# Altium PCB PCB2.PcbDoc (part 2 of 2)
Units mm, origin at the board's own origin, x right, y up, seen from the top; angles counter-clockwise.
Board outline 100 x 100 mm, 4 copper layers (Top Layer, GND2, PWR3, Bottom Layer), stack 1.853 mm thick; 159 components, 130 nets, 699 pads, 175 vias.
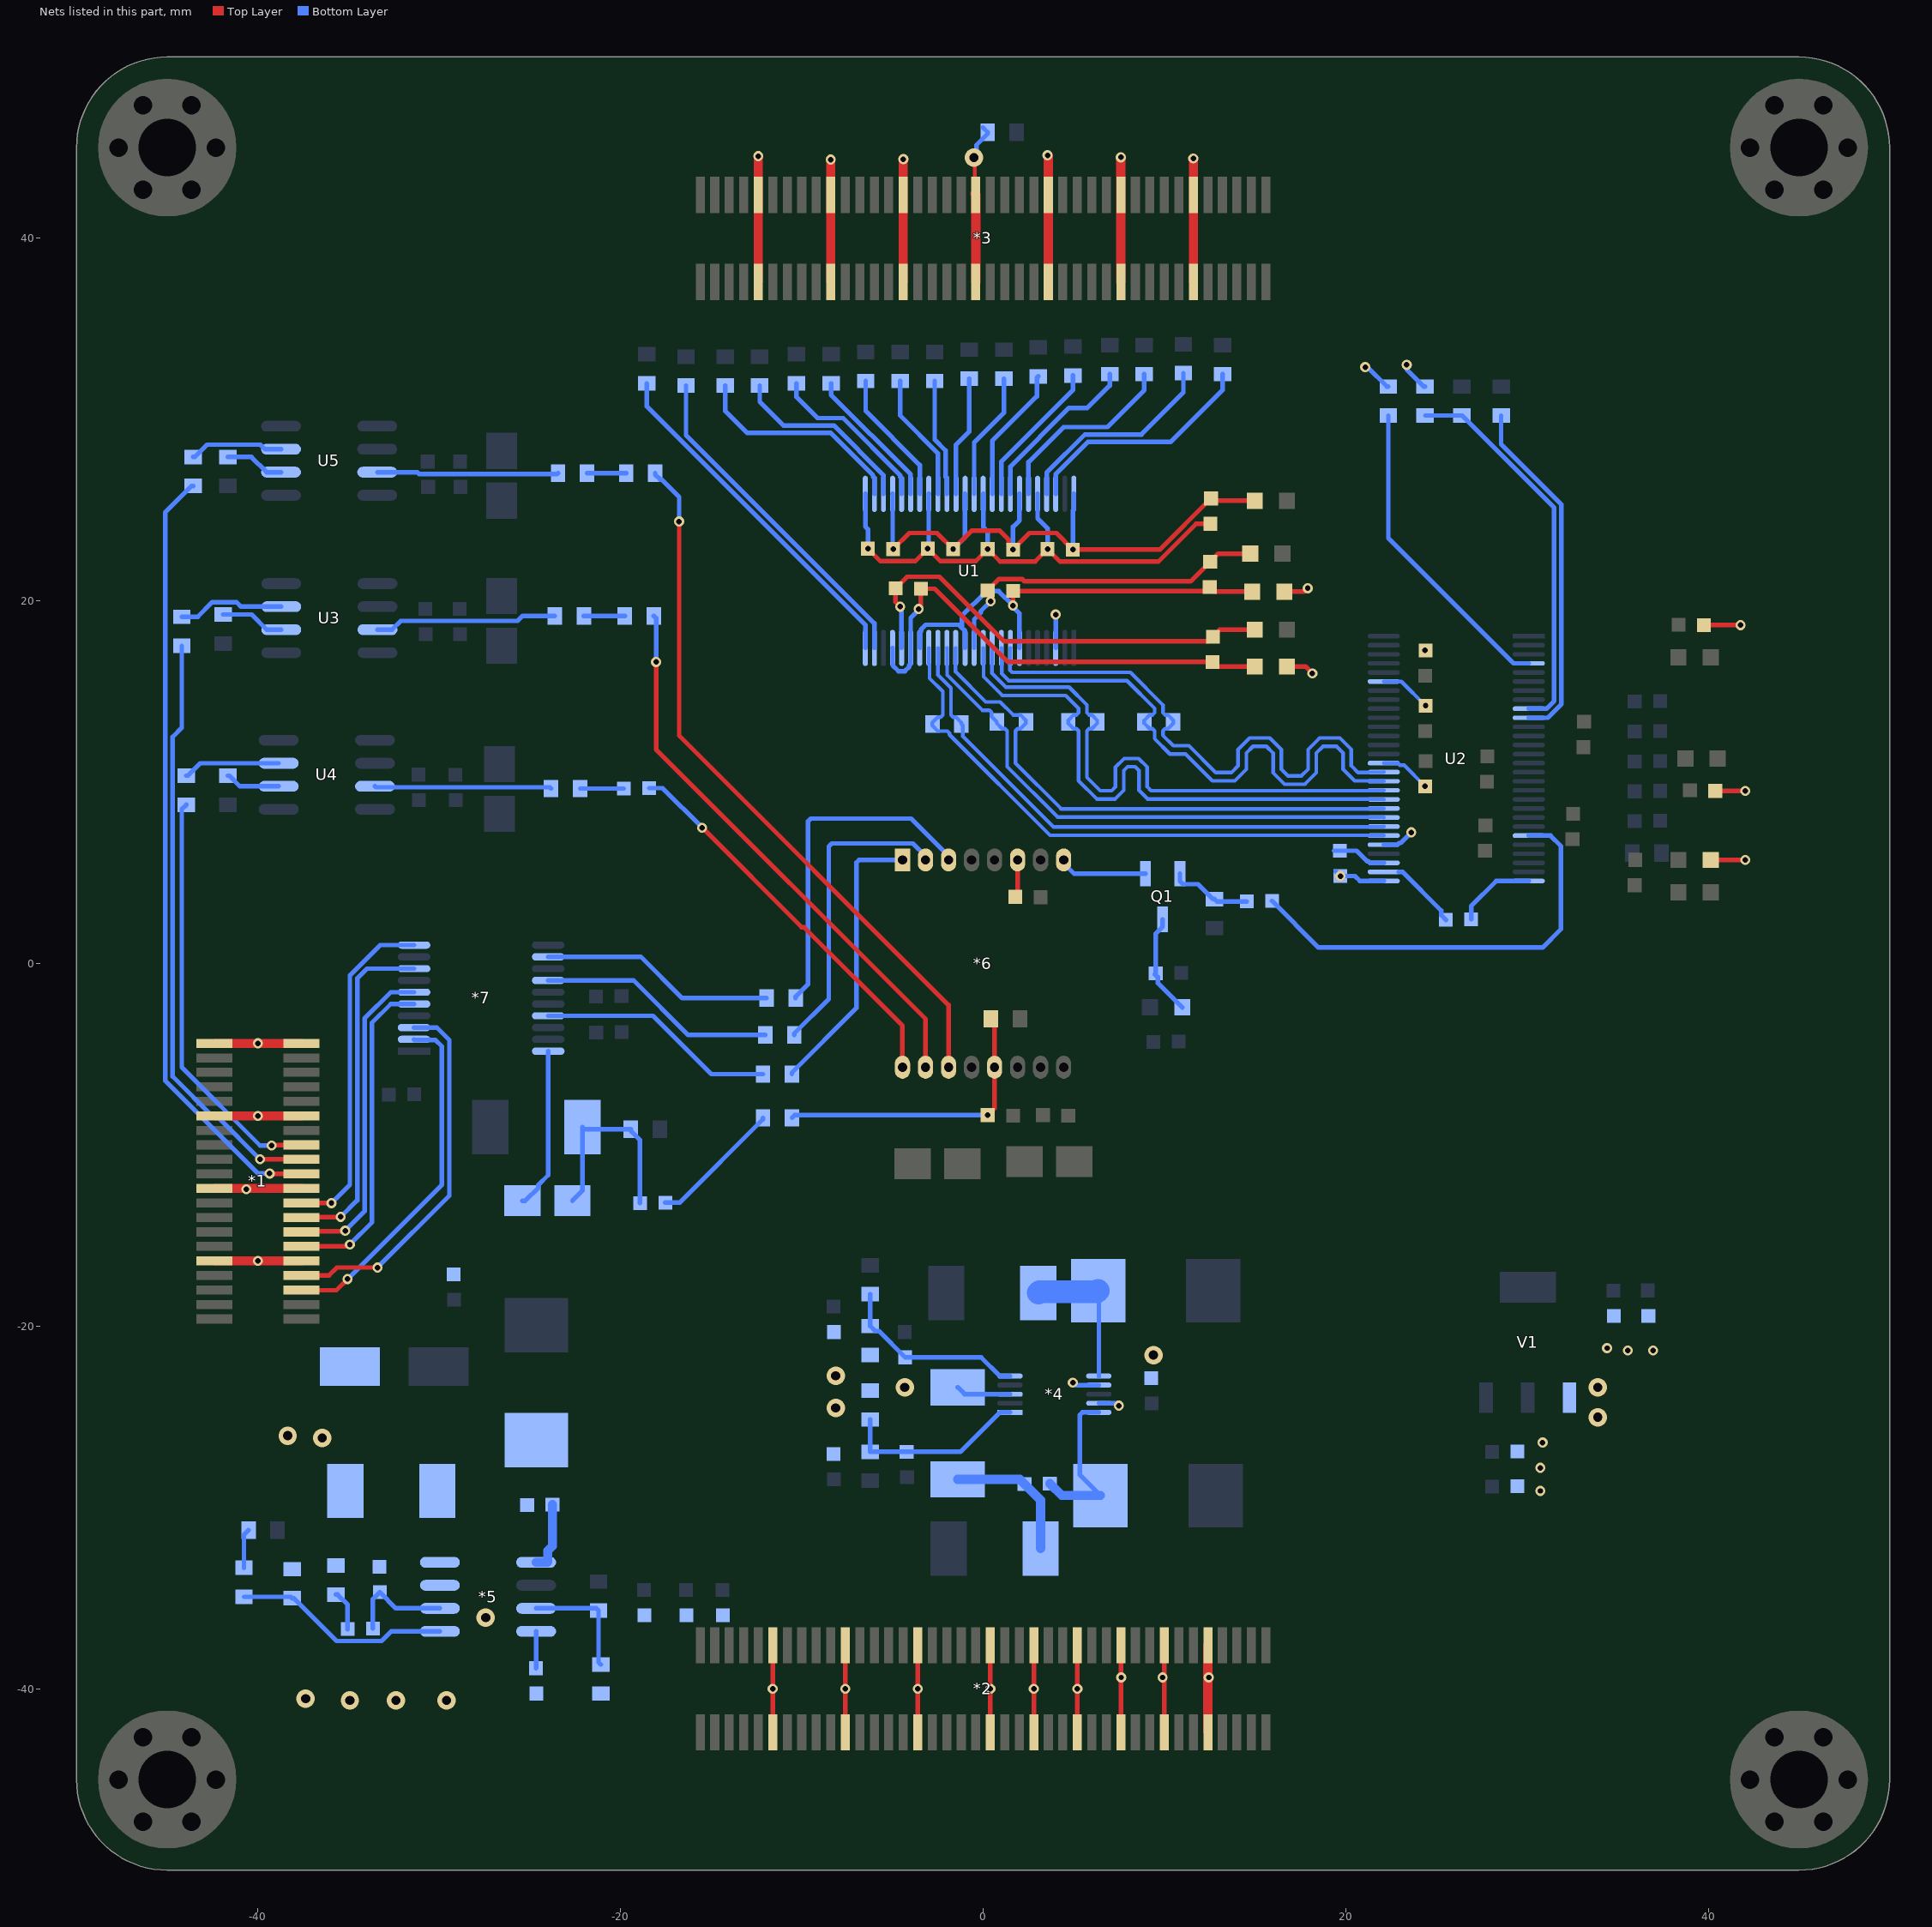
[diagram p4: the nets of this part, all layers, seen from the top]

## Via types
v1: diameter 0.559, hole 0.305, Top Layer to Bottom Layer, 137 vias
v2: diameter 1.016, hole 0.508, Top Layer to Bottom Layer, 35 vias
v3: diameter 1.27, hole 0.635, Top Layer to Bottom Layer, 3 vias

## Nets (pads, with @x,y where several pads share a name; then routed paths per layer and width w, separated by ;. In a path a pad name is that pad's centre, name@x,y a point inside that pad or via, vN(x,y) a via of type N, cw(c..) or ccw(c..) an arc to the next point about the centre after c; other vN are vias at no path point) (continued)
B15_L1_N: *1.25 R54.2 | length 23
  Top Layer w0.254: v1(-39.243,-10.033) -39.226,-10.016 -37.617,-10.016 *1.25@-37.6,-10
  Bottom Layer w0.254: R54.2@-43.942,8.763 -44.196,8.509 -44.196,-5.715 -39.878,-10.033 v1(-39.243,-10.033)
B15_L2_N: *1.13 *7.6 | length 17.9
  Top Layer w0.254: *1.13@-37.6,-14.8 -37.566,-14.766 -35.213,-14.766 v1(-35.179,-14.732)
  Bottom Layer w0.254: v1(-35.179,-14.732) -34.112,-13.665 -34.112,-3.025 -32.667,-1.58 *7.6@-31.386,-1.58
B15_L2_P: *1.11 *7.5 | length 18.2
  Top Layer w0.254: *1.11@-37.6,-15.6 -35.114,-15.6 -35.007,-15.494 v1(-34.925,-15.494)
  Bottom Layer w0.254: v1(-34.925,-15.494) -33.706,-14.275 -33.706,-3.269 -32.667,-2.23 *7.5@-31.386,-2.23
B15_L4_N: *1.7 *7.3 | length 20.8
  Top Layer w0.254: *1.7@-37.6,-17.2 -36.078,-17.2 -35.642,-16.764 v1(-33.401,-16.764)
  Bottom Layer w0.254: v1(-33.401,-16.764) -29.439,-12.802 -29.439,-4.216 -30.125,-3.53 *7.3@-31.386,-3.53
B15_L4_P: *1.5 *7.2 | length 19.5
  Top Layer w0.254: *1.5@-37.6,-18 -37.583,-18.017 -35.67,-18.017 v1(-35.052,-17.399)
  Bottom Layer w0.254: v1(-35.052,-17.399) -29.845,-12.192 -29.845,-4.572 -30.209,-4.208 -31.358,-4.208 *7.2@-31.386,-4.18
B15_L11_N: *1.23 R50.2 | length 33
  Top Layer w0.254: v1(-39.878,-10.795) -39.876,-10.797 -37.602,-10.797 *1.23@-37.6,-10.8
  Bottom Layer w0.254: R50.2@-44.196,17.526 -44.196,13.004 -44.704,12.496 -44.704,-6.223 -42.447,-8.48 -42.193,-8.48 v1(-39.878,-10.795)
B15_L11_P: *1.21 R57.2 | length 43.2
  Top Layer w0.254: v1@-39.37,-11.557 -39.327,-11.6 *1.21@-37.6,-11.6
  Bottom Layer w0.254: R57.2@-43.561,26.34 -43.643,26.34 -45.11,24.873 -45.11,-6.452 -39.983,-11.579 v1(-39.348,-11.579)
B15_L12_N: *1.17 *7.10 | length 18.9
  Top Layer w0.254: *1.17@-37.6,-13.2 -37.596,-13.204 -35.945,-13.204 v1(-35.941,-13.208)
  Bottom Layer w0.254: v1(-35.941,-13.208) -34.925,-12.192 -34.925,-0.649 -33.256,1.02 *7.10@-31.386,1.02
B15_L12_P: *1.15 *7.8 | length 19.1
  Top Layer w0.254: *1.15@-37.6,-14 -37.585,-13.985 -35.448,-13.985 v1(-35.433,-13.97)
  Bottom Layer w0.254: v1(-35.433,-13.97) -34.519,-13.056 -34.519,-0.818 -33.981,-0.28 *7.8@-31.386,-0.28
GND: *1.9 *1.10 *1.19 *1.20 *1.29 *1.30 *1.39 *1.40 *2.9 *2.10 *2.15 *2.16 *2.21 *2.22 *2.27 *2.28 *2.33 *2.34 *2.39 *2.40 *2.49 *2.50 *2.59 *2.60 *2.69 *2.70 *3.9 *3.10 *3.19 *3.20 *3.29 *3.30 *3.39 *3.40 *3.49 *3.50 *3.59 *3.60 *3.69 *3.70 *4.3 *4.7 *4.9 *5.7 C2.2 C4.1 C5.1 C6.1 C7.1 C8.2 C9.1 C12.1 C13.1 C14.1 C15.1 C17.1 C18.1 C19.1 C20.1 C21.1 C22.1 C23.1 C34.2 C40.1 C41.1 C42.1 C43.1 C44.1 D2.K D4.A EC1.2 L6.1 L8.1 L11.1 R2.1 R3.2 R7.1 R9.1 R10.1 R11.1 R15.1 R32.1 U1.3 U1.25 U1.32 U1.38 U1.44 U2.29 U2.33 U2.42 U2.51 V1.1 | length 176.8
  Top Layer w0.203: v2(-0.508,44.45) -0.454,44.396 *3.39@-0.454,42.454 ; v1(24.384,17.272) C41.1@24.409,17.272
  Top Layer w0.254: *2.69@-11.6,-42.4 *2.70@-11.6,-37.6 ; *2.59@-7.6,-42.4 *2.60@-7.6,-37.6 ; v1(-6.35,22.885) -5.664,22.2 -3.734,22.2 v1(-3.048,22.885) -2.362,22.2 -0.406,22.2 v1(0.254,22.86) 0.94,22.174 2.87,22.174 v1(3.556,22.86) 4.242,22.174 9.668,22.174 11.751,24.257 C19.1@12.547,24.257 ; *2.49@-3.6,-42.4 *2.50@-3.6,-37.6 ; *2.39@0.4,-42.4 *2.40@0.4,-37.6 ; *2.33@2.8,-42.4 *2.34@2.8,-37.6 ; *2.27@5.2,-42.4 *2.28@5.2,-37.6 ; *2.21@7.6,-42.4 *2.22@7.6,-37.6 ; *2.15@10,-42.4 *2.16@10,-37.6 ; L6.1@16.619,20.514 17.72,20.514 v1(17.907,20.701) ; L8.1@16.764,16.383 17.78,16.383 v1(18.161,16.002) ; C40.1@39.751,18.669 v1(41.783,18.669) ; L11.1@40.132,5.715 v1(42.037,5.715) ; C44.1@40.386,9.525 v1(42.037,9.525) v1@42.037,9.652
  Top Layer w0.508: *1.10@-42.4,-16.4 *1.9@-37.6,-16.4 ; *1.20@-42.4,-12.4 *1.19@-37.6,-12.4 ; *1.30@-42.4,-8.4 *1.29@-37.6,-8.4 ; *1.40@-42.4,-4.4 *1.39@-37.6,-4.4 ; *3.10@-12.4,37.6 *3.9@-12.4,42.4 v1(-12.4,44.531) ; *3.20@-8.4,37.6 *3.19@-8.4,42.4 v1(-8.4,44.341) ; *3.30@-4.4,37.6 *3.29@-4.4,42.4 v1(-4.4,44.368) ; *3.39@-0.454,42.454 *3.39@-0.4,42.4 *3.40@-0.4,37.6 ; v1(3.556,44.577) 3.6,44.533 *3.49@3.6,42.4 *3.50@3.6,37.6 ; *3.60@7.6,37.6 *3.59@7.6,42.4 v1(7.6,44.47) ; *3.70@11.6,37.6 *3.69@11.6,42.4 v1(11.6,44.407) ; *2.9@12.4,-42.4 12.4,-39.43 12.446,-39.384 12.446,-39.356 12.4,-39.31 *2.10@12.4,-37.6
  Bottom Layer w0.203: U2.42@22.098,11.057 22.874,11.057 22.993,10.938 23.225,10.938 v1(24.384,9.779) ; U2.51@22.098,15.557 23.076,15.557 v1(24.409,14.224)
  Bottom Layer w0.254: U1.25@-6.492,25.908 -6.492,24.1 -6.35,23.958 v1(-6.35,22.885) ; v1(-3.048,22.885) -2.997,22.937 -2.997,25.903 U1.32@-2.992,25.908 ; D2.K@-1.397,-23.368 -1.016,-23.749 *4.3@1.487,-23.749 ; v2(-0.508,44.45) -0.362,44.596 -0.362,45.148 0.254,45.765 R32.1@0.254,45.847 R32.1@-0.019,46.12 ; U1.38@0.008,25.908 0.008,24.078 0.254,23.831 v1(0.254,22.86) ; U1.44@3.008,25.908 3.008,24.551 3.556,24.003 v1(3.556,22.86) ; U1.3@4.008,17.408 v1(4.008,19.248) ; v1@4.933,-23.114 v1(4.953,-23.114) 5.035,-23.114 5.17,-23.249 *4.7@6.387,-23.249 ; *4.9@6.387,-24.249 7.358,-24.249 v1(7.493,-24.384) ; C34.2@19.456,5.08 v1(19.71,4.826) 20.516,4.826 20.785,4.557 U2.29@22.098,4.557 ; v1(21.082,32.893) 21.202,32.893 22.27,31.826 R15.1@22.352,31.826 ; U2.33@22.098,6.557 22.86,6.557 22.954,6.651 23.034,6.651 v1(23.622,7.239) ; v1(23.368,33.02) 23.368,32.759 24.302,31.826 R11.1@24.384,31.826
  other v1: -11.6,-40 -7.6,-40 -3.6,-40 0.4,-40 2.8,-40 5.2,-40 7.62,-39.37 9.906,-39.37 12.446,-39.37 30.734,-29.083 30.734,-27.813 30.861,-26.416 35.56,-21.336 36.957,-21.336 34.417,-21.209 -40,-16.4 -40.64,-12.446 -40,-8.4 -40,-4.4
  other v2: -34.925,-40.64 -32.385,-40.64 -29.591,-40.64 -37.361,-40.542 -27.432,-36.068 -36.449,-26.162 -38.354,-26.035 33.909,-25.019 -8.128,-24.511 -4.318,-23.368 33.909,-23.368 -8.128,-22.733 9.398,-21.59
H1: *6.15 R42.1 | length 31.1
  Top Layer w0.254: v1(-18.034,16.637) -18.034,11.811 -3.175,-3.048 *6.15@-3.175,-5.715
  Bottom Layer w0.254: R42.1@-18.161,19.177 -18.034,19.05 v1(-18.034,16.637)
H2: *6.16 C50.1 | length 21.7
  Top Layer w0.254: v1(-15.494,7.493) -10.004,2.003 -9.877,2.003 -4.445,-3.429 *6.16@-4.445,-5.715
  Bottom Layer w0.254: C50.1@-18.415,9.677 -17.678,9.677 v1(-15.494,7.493)
Net98: C24.2 C25.2 L5.2 U1.12 | length 19
  Top Layer w0.254: v1(0.423,19.981) 0.423,20.405 C25.2@0.254,20.574 0.889,21.209 2.148,21.209 2.275,21.082 11.446,21.082 C24.2@12.529,22.165 12.97,22.606 L5.2@14.732,22.606
  Bottom Layer w0.254: U1.12@-0.492,17.408 -0.492,18.984 -0.127,19.349 -0.127,19.431 v1(0.423,19.981)
Net*4_1: *4.1 C3.2 R1.1 R2.2 | length 10.4
  Bottom Layer w0.254: R2.2@-6.223,-25.146 R1.1@-6.223,-26.924 C3.2@-4.216,-26.924 -1.248,-26.924 0.927,-24.749 *4.1@1.487,-24.749
Net*4_5: *4.5 C10.1 R3.1 R4.1 | length 10.6
  Bottom Layer w0.254: R4.1@-6.223,-18.237 R3.1@-6.223,-19.99 -5.95,-20.263 -5.747,-20.263 C10.1@-4.293,-21.717 -0.105,-21.717 0.927,-22.749 *4.5@1.487,-22.749
Net*4_6: *4.6 D3.A L2.2 | length 8.1
  Bottom Layer w0.254: L2.2@6.35,-18.034 6.387,-18.071 *4.6@6.387,-22.749
  Bottom Layer w1.27: D3.A@3.048,-18.161 3.111,-18.098 6.286,-18.098 L2.2@6.35,-18.034
Net*4_10: *4.10 C1.1 L1.2 | length 9.1
  Bottom Layer w0.254: *4.10@6.387,-24.749 5.483,-24.749 5.334,-24.898 5.334,-28.194 L1.2@6.477,-29.337
  Bottom Layer w0.508: C1.1@3.683,-28.677 4.343,-29.337 L1.2@6.477,-29.337
Net*5_1: *5.1 C11.1 | length 3.9
  Bottom Layer w0.508: *5.1@-24.651,-33.02 -24.051,-33.02 -24.008,-32.978 -24.008,-32.377 -23.749,-32.118 C11.1@-23.749,-29.845
Net*5_3: *5.3 R6.1 R7.2 | length 6.5
  Bottom Layer w0.254: *5.3@-24.651,-35.56 -21.336,-35.56 R6.1@-21.209,-35.687 -21.209,-38.532 R7.2@-21.082,-38.659
Net*5_4: *5.4 C18.2 | length 2
  Bottom Layer w0.254: C18.2@-24.663,-38.862 -24.651,-38.85 *5.4@-24.651,-36.83
Net*5_5: *5.5 R8.1 R10.2 | length 12
  Bottom Layer w0.254: R8.1@-40.767,-34.925 -38.176,-34.925 R10.2@-38.1,-35.001 -38.018,-35.001 -35.655,-37.363 -33.184,-37.363 -32.65,-36.83 *5.5@-29.959,-36.83
Net*5_6: *5.6 C16.2 C17.2 | length 5.8
  Bottom Layer w0.254: C16.2@-33.655,-36.678 -33.655,-35.052 C17.2@-33.274,-34.671 -32.385,-35.56 *5.6@-29.959,-35.56
Net*5_8: *5.8 C11.2 D4.K L3.1
Net*6_6: *6.6 C46.1 | length 2.1
  Top Layer w0.254: C46.1@1.778,3.683 1.905,3.81 *6.6@1.905,5.715
Net*7_12: *7.12 R47.2 | length 13
  Bottom Layer w0.254: *7.12@-23.986,0.37 -18.866,0.37 -16.591,-1.905 R47.2@-11.938,-1.905
Net*7_14: *7.14 R46.2 | length 13.2
  Bottom Layer w0.254: *7.14@-23.986,-0.93 -19.27,-0.93 -16.263,-3.937 R46.2@-12.014,-3.937
Net*7_17: *7.17 R45.2 | length 13.2
  Bottom Layer w0.254: *7.17@-23.986,-2.88 -18.202,-2.88 -14.986,-6.096 R45.2@-12.141,-6.096
Net*7_20: *7.20 TC4.2 | length 8.9
  Bottom Layer w0.254: TC4.2@-25.4,-13.081 -25.25,-13.081 -24.527,-12.358 -24.527,-12.208 -23.986,-11.667 *7.20@-23.986,-4.83
NetC1_2: C1.2 D1.K D2.A | length 7.7
  Bottom Layer w0.508: D2.A@-1.397,-28.448 2.032,-28.448 C1.2@2.286,-28.702 3.175,-29.591 D1.K@3.175,-32.258
NetC16_1: C16.1 R9.2 | length 2.2
  Bottom Layer w0.254: R9.2@-35.687,-34.798 -35.605,-34.798 -35.052,-35.351 C16.1@-35.052,-36.703
NetC19_2: C19.2 C20.2 C21.2 C22.2 C23.2 L4.2 U1.28 U1.36 U1.42 U1.48 | length 36.4
  Top Layer w0.254: v1(-4.953,22.86) -4.064,23.749 -2.54,23.749 v1(-1.651,22.86) -0.635,23.876 0.917,23.876 1.397,23.396 1.397,23.089 v1(1.651,22.835) 1.905,23.089 2.565,23.749 4.039,23.749 v1(4.953,22.835) 9.753,22.835 C19.2@12.573,25.654 12.7,25.527 L4.2@14.986,25.527
  Bottom Layer w0.254: U1.28@-4.992,25.908 -4.987,25.903 -4.987,22.894 v1(-4.953,22.86) ; v1(-1.651,22.86) -0.992,23.519 U1.36@-0.992,25.908 ; v1(1.651,22.835) 1.651,24.085 2.008,24.443 U1.42@2.008,25.908 ; v1(4.953,22.835) 4.953,24.986 5.008,25.041 U1.48@5.008,25.908
NetC24_1: C24.1 C25.1 L6.2 U1.7 U1.13 U1.18 | length 25.7
  Top Layer w0.254: v1(1.651,19.748) C25.1@1.651,20.549 12.284,20.549 C24.1@12.504,20.768 12.758,20.514 L6.2@14.841,20.514
  Bottom Layer w0.254: U1.18@-3.492,17.408 -3.492,18.275 -3.411,18.356 -3.411,18.442 -3.166,18.687 -1.338,18.687 -1.168,18.517 ; U1.13@-0.992,17.408 -0.997,17.413 -0.997,18.346 -1.168,18.517 ; U1.7@2.008,17.408 2.008,19.309 1.651,19.666 v1(1.651,19.748) 0.86,20.54 0.191,20.54 -1.168,19.181 -1.168,18.517
NetC31_1: C31.1 C32.1 L8.2 U1.19 U1.21 | length 26.9
  Top Layer w0.254: v1(-3.556,19.558) -3.429,19.685 C31.1@-3.429,20.676 -2.667,20.676 1.372,16.637 C32.1@12.649,16.637 12.903,16.383 L8.2@14.986,16.383
  Bottom Layer w0.254: U1.21@-4.992,17.408 -4.987,17.403 -4.987,16.45 -4.666,16.129 -4.318,16.129 -4.073,16.374 -4.073,16.46 -3.992,16.541 U1.19@-3.992,17.408 -3.992,19.06 -3.556,19.496 v1(-3.556,19.558)
NetC31_2: C31.2 C32.2 L7.2 U1.20 | length 25.2
  Top Layer w0.254: v1(-4.572,19.685) -4.826,19.939 C31.2@-4.826,20.701 -4.191,21.336 -2.413,21.336 1.143,17.78 12.42,17.78 C32.2@12.674,18.034 13.055,18.415 L7.2@14.986,18.415
  Bottom Layer w0.254: v1(-4.572,19.685) -4.572,19.603 -4.492,19.523 U1.20@-4.492,17.408
NetC33_1: C33.1 U2.30 | length 3.8
  Bottom Layer w0.254: U2.30@22.935,5.057 23.137,5.057 25.273,2.921 25.273,2.667 C33.1@25.527,2.413
NetC33_2: C33.2 U2.28 | length 4.5
  Bottom Layer w0.254: C33.2@26.924,2.438 26.924,3.175 28.306,4.557 U2.28@30.098,4.557
NetC34_1: C34.1 U2.31 | length 3
  Bottom Layer w0.254: C34.1@19.364,6.223 20.595,6.223 21.168,5.651 21.242,5.651 21.336,5.557 U2.31@22.098,5.557
NetC45_2: C45.2 L13.1 Q1.3 | length 5.6
  Bottom Layer w0.254: C45.2@9.474,-0.584 9.636,-0.746 9.636,-1.063 L13.1@10.986,-2.413 ; C45.2@9.525,-0.533 9.525,1.655 9.909,2.039 Q1.3@9.909,2.439
NetC48_2: C48.2 Q1.2 R41.2 | length 4.5
  Bottom Layer w0.254: Q1.2@10.858,4.953 10.858,4.553 11.031,4.38 11.857,4.38 12.681,3.556 R41.2@12.763,3.556 12.89,3.429 C48.2@14.541,3.429
NetC50_2: C50.2 R53.1 | length 2.4
  Bottom Layer w0.254: R53.1@-22.225,9.652 C50.2@-19.812,9.652
NetC53_1: C53.1 R44.2 | length 7.4
  Bottom Layer w0.254: C53.1@-17.526,-13.183 -16.732,-13.183 -12.141,-8.591 R44.2@-12.141,-8.509
NetC53_2: C53.2 D5.K R51.2 TC4.1 | length 11.3
  Bottom Layer w0.254: TC4.1@-22.653,-13.081 -22.098,-12.526 D5.K@-22.098,-9.017 -21.971,-9.144 R51.2@-19.431,-9.144 -19.431,-9.226 -18.923,-9.734 C53.2@-18.923,-13.208
NetR5_1: R5.1 R8.2 | length 2.2
  Bottom Layer w0.254: R8.2@-40.767,-33.325 -40.767,-31.496 R5.1@-40.513,-31.242
NetR11_2: R11.2 R24.2 U2.9 | length 21.5
  Bottom Layer w0.254: R11.2@24.384,30.226 R24.2@26.416,30.226 31.496,25.146 31.496,14.478 31.075,14.057 U2.9@30.098,14.057
NetR12_1: R12.1 U1.24 | length 19.6
  Bottom Layer w0.254: R12.1@-18.542,32.004 -18.542,30.734 -6.492,18.684 U1.24@-6.492,17.408
NetR13_1: R13.1 U1.26 | length 12.1
  Bottom Layer w0.254: R13.1@-14.224,31.877 -14.224,30.48 -13.017,29.273 -8.404,29.273 -6.073,26.942 -6.073,26.856 -5.992,26.775 U1.26@-5.992,25.908
NetR14_1: R14.1 U1.27 | length 10.4
  Bottom Layer w0.254: R14.1@-12.319,31.877 -12.319,30.988 -11.01,29.679 -8.236,29.679 -5.497,26.941 -5.497,25.913 U1.27@-5.492,25.908
NetR15_2: R15.2 U2.4 | length 17.4
  Bottom Layer w0.254: R15.2@22.352,30.226 22.352,23.466 29.261,16.557 U2.4@30.098,16.557
NetR17_1: R17.1 U1.29 | length 9.3
  Bottom Layer w0.254: R17.1@-10.287,32.004 -10.287,31.242 -9.131,30.086 -7.717,30.086 -4.573,26.942 -4.573,26.867 -4.573,26.856 -4.492,26.775 U1.29@-4.492,25.908
NetR18_1: R18.1 U1.30 | length 7.9
  Bottom Layer w0.254: R18.1@-8.382,32.004 -8.382,31.369 -3.997,26.984 -3.997,25.913 U1.30@-3.992,25.908
NetR20_1: R20.1 U1.31 | length 7.5
  Bottom Layer w0.254: R20.1@-6.477,32.131 -6.477,30.48 -3.492,27.495 U1.31@-3.492,25.908
NetR21_1: R21.1 U1.33 | length 7.1
  Bottom Layer w0.254: R21.1@-4.572,32.131 -4.572,30.226 -2.492,28.146 U1.33@-2.492,25.908
NetR23_1: R23.1 U1.34 | length 6.5
  Bottom Layer w0.254: R23.1@-2.667,32.131 -2.667,28.896 -2.073,28.302 -2.073,26.856 -1.992,26.775 U1.34@-1.992,25.908
NetR25_1: R25.1 U1.35 | length 6.7
  Bottom Layer w0.254: U1.35@-1.492,25.908 -1.492,28.616 -0.762,29.346 R25.1@-0.762,32.258
NetR26_2: R26.2 U2.10 | length 19.4
  Bottom Layer w0.254: R26.2@28.575,30.226 28.575,28.642 31.902,25.314 31.902,14.31 31.15,13.557 U2.10@30.098,13.557
NetR28_1: R28.1 U1.37 | length 7
  Bottom Layer w0.254: U1.37@-0.492,25.908 -0.492,28.743 1.143,30.378 R28.1@1.143,32.258
NetR29_1: R29.1 U1.39 | length 7.5
  Bottom Layer w0.254: U1.39@0.508,25.908 0.508,28.829 2.966,31.287 2.966,32.303 R29.1@3.048,32.385
NetR30_1: R30.1 U1.40 | length 8.2
  Bottom Layer w0.254: U1.40@1.008,25.908 1.008,27.678 4.953,31.623 R30.1@4.953,32.436
NetR31_1: R31.1 U1.41 | length 9.5
  Bottom Layer w0.254: U1.41@1.508,25.908 1.508,27.416 4.735,30.643 5.751,30.643 6.985,31.877 R31.1@6.985,32.512
NetR33_1: R33.1 U1.43 | length 10.7
  Bottom Layer w0.254: U1.43@2.508,25.908 2.508,27.654 4.444,29.59 6.857,29.59 8.89,31.623 R33.1@8.89,32.512
NetR34_1: R34.1 U1.45 | length 11.6
  Bottom Layer w0.254: U1.45@3.508,25.908 3.513,25.913 3.513,27.075 5.622,29.184 8.737,29.184 11.049,31.496 R34.1@11.049,32.563
NetR35_1: R35.1 U1.46 | length 13.1
  Bottom Layer w0.254: U1.46@4.008,25.908 4.009,26.996 5.791,28.778 10.363,28.778 13.208,31.623 R35.1@13.208,32.512
NetR36_1: R36.1 U1.23 | length 18.8
  Bottom Layer w0.254: R36.1@-16.383,31.877 -16.383,29.15 -5.997,18.764 -5.997,17.413 U1.23@-5.992,17.408
NetR42_2: R42.2 R49.1 | length 2.3
  Bottom Layer w0.254: R49.1@-22.022,19.177 R42.2@-19.761,19.177
NetR43_2: R43.2 R56.1 | length 2.2
  Bottom Layer w0.254: R56.1@-21.844,27.051 R43.2@-19.685,27.051
NetR48_2: R48.2 U3.2 | length 3.5
  Bottom Layer w0.254: R48.2@-41.91,19.253 -40.347,19.253 -39.509,18.415 U3.2@-38.709,18.415
NetR49_2: R49.2 U3.7 | length 10.1
  Bottom Layer w0.254: U3.7@-33.401,18.415 -32.601,18.415 -32.118,18.898 -25.673,18.898 -25.394,19.177 R49.2@-23.622,19.177
NetR50_1: R50.1 U3.3 | length 5.9
  Bottom Layer w0.254: R50.1@-44.196,19.126 -43.315,19.126 -42.508,19.932 -41.179,19.932 -40.932,19.685 U3.3@-38.709,19.685
NetR52_2: R52.2 U4.2 | length 3
  Bottom Layer w0.254: R52.2@-41.656,10.363 -41.574,10.363 -40.99,9.779 U4.2@-38.849,9.779
NetR53_2: R53.2 U4.7 | length 9.8
  Bottom Layer w0.254: U4.7@-33.541,9.779 -33.485,9.723 -23.896,9.723 R53.2@-23.825,9.652
NetR54_1: R54.1 U4.3 | length 5.4
  Bottom Layer w0.254: R54.1@-43.942,10.363 -43.86,10.363 -43.173,11.049 U4.3@-38.849,11.049
NetR55_2: R55.2 U5.2 | length 3.3
  Bottom Layer w0.254: R55.2@-41.656,27.94 -40.36,27.94 -39.522,27.102 U5.2@-38.722,27.102
NetR56_2: R56.2 U5.7 | length 10
  Bottom Layer w0.254: U5.7@-33.414,27.102 -31.206,27.102 -31.098,26.995 -23.5,26.995 R56.2@-23.444,27.051
NetR57_1: R57.1 U5.3 | length 5.2
  Bottom Layer w0.254: R57.1@-43.561,27.94 -43.479,27.94 -42.799,28.619 -39.863,28.619 -39.616,28.372 U5.3@-38.722,28.372
OS: C48.1 U2.23 | length 24
  Bottom Layer w0.254: C48.1@15.938,3.454 18.504,0.889 30.861,0.889 31.87,1.898 31.87,6.484 31.297,7.057 U2.23@30.098,7.057
RG: *6.14 R43.1 | length 39.4
  Top Layer w0.254: v1@-16.764,24.257 -16.764,12.573 -1.905,-2.286 *6.14@-1.905,-5.715
  Bottom Layer w0.254: R43.1@-18.085,27.051 -18.085,26.969 -17.812,26.696 -17.73,26.696 -16.764,25.73 v1(-16.764,24.384)
SUB: *6.12 C47.2 R40.2 R44.1 | length 16.6
  Top Layer w0.254: v1(0.254,-8.357) 0.635,-7.976 0.635,-3.251 R40.2@0.432,-3.048
  Bottom Layer w0.254: R44.1@-10.541,-8.509 -10.389,-8.357 v1(0.254,-8.357) ; v1@0.254,-8.509 v1@0.486,-8.509
TXCLK+: R27.2 U1.17 U2.34 | length 32.4
  Bottom Layer w0.203: U1.17@-2.992,17.408 -2.992,16.527 -2.949,16.484 -2.949,15.733 -2.223,15.006 -2.223,13.708 -2.342,13.589 -2.496,13.589 -2.794,13.29 R27.2@-2.794,13.208 -2.794,13.125 -2.496,12.827 -1.967,12.827 -1.848,12.708 -1.848,12.62 3.694,7.078 21.279,7.078 21.29,7.067 22.088,7.067 U2.34@22.098,7.057
TXCLK-: R27.1 U1.16 U2.35 | length 30.8
  Bottom Layer w0.203: U1.16@-2.492,17.408 -2.492,15.922 -1.765,15.196 -1.765,13.708 -1.646,13.589 -1.492,13.589 -1.194,13.29 R27.1@-1.194,13.208 -1.121,13.135 -1.121,12.54 3.883,7.536 21.279,7.536 21.29,7.547 22.088,7.547 U2.35@22.098,7.557
TXOUT0+: R16.2 U1.9 U2.40 | length 32.2
  Bottom Layer w0.203: U1.9@1.008,17.408 1.023,17.393 1.023,16.479 1.029,16.472 1.029,15.988 1.416,15.601 7.937,15.601 9.461,14.077 9.461,13.835 9.342,13.716 9.188,13.716 8.89,13.417 R16.2@8.89,13.335 8.89,13.253 9.188,12.954 9.342,12.954 9.461,12.835 9.461,12.403 10.308,11.557 11.164,11.557 12.643,10.078 13.462,10.078 13.887,10.078 14.523,10.715 14.523,11.615 14.891,11.983 15.628,11.983 15.996,11.615 15.996,10.527 16.632,9.891 17.748,9.891 18.384,10.527 18.384,11.615 18.752,11.983 19.489,11.983 19.857,11.615 19.857,10.715 20.493,10.078 21.065,10.078 21.279,10.078 21.29,10.067 22.088,10.067 U2.40@22.098,10.057
TXOUT0-: R16.1 U1.8 U2.41 | length 31.5
  Bottom Layer w0.203: U1.8@1.508,17.408 1.493,17.393 1.493,16.479 1.487,16.472 1.487,16.177 1.606,16.058 8.127,16.058 9.919,14.267 9.919,13.835 10.038,13.716 10.192,13.716 10.49,13.417 R16.1@10.49,13.335 10.49,13.253 10.192,12.954 10.038,12.954 9.919,12.835 9.919,12.593 10.497,12.014 11.354,12.014 12.832,10.536 13.462,10.536 13.698,10.536 14.066,10.904 14.066,11.804 14.702,12.441 15.817,12.441 16.453,11.804 16.453,10.717 16.822,10.348 17.558,10.348 17.927,10.717 17.927,11.804 18.563,12.441 19.678,12.441 20.314,11.804 20.314,10.904 20.683,10.536 21.065,10.536 21.279,10.536 21.29,10.547 22.088,10.547 U2.41@22.098,10.557
TXOUT1+: R19.2 U1.11 U2.38 | length 32.2
  Bottom Layer w0.203: U1.11@0.008,17.408 0.023,17.393 0.023,16.479 0.029,16.472 0.029,15.823 1.064,14.788 4.559,14.788 5.27,14.077 5.27,13.835 5.151,13.716 4.997,13.716 4.699,13.417 R19.2@4.699,13.335 4.699,13.253 4.997,12.954 5.151,12.954 5.27,12.835 5.27,10.085 6.277,9.078 6.858,9.078 7.283,9.078 7.76,9.556 7.76,10.647 7.97,10.856 8.389,10.856 8.598,10.647 8.598,9.556 9.076,9.078 11.811,9.078 21.279,9.078 21.29,9.067 22.088,9.067 U2.38@22.098,9.057
TXOUT1-: R19.1 U1.10 U2.39 | length 31.5
  Bottom Layer w0.203: U1.10@0.508,17.408 0.493,17.393 0.493,16.479 0.487,16.472 0.487,16.012 1.253,15.246 4.749,15.246 5.728,14.267 5.728,13.835 5.847,13.716 6.001,13.716 6.299,13.417 R19.1@6.299,13.335 6.299,13.253 6.001,12.954 5.847,12.954 5.728,12.835 5.728,10.274 6.466,9.536 6.858,9.536 7.094,9.536 7.303,9.745 7.303,10.836 7.78,11.314 8.578,11.314 9.056,10.836 9.056,9.745 9.265,9.536 11.811,9.536 21.279,9.536 21.29,9.547 22.088,9.547 U2.39@22.098,9.557
TXOUT2+: R22.2 U1.15 U2.36 | length 30.2
  Bottom Layer w0.203: U1.15@-1.992,17.408 -1.981,17.397 -1.981,15.914 -0.042,13.976 0.345,13.976 0.464,13.857 0.464,13.633 R22.2@0.762,13.335 0.762,13.253 1.06,12.954 1.214,12.954 1.333,12.835 1.333,10.859 4.114,8.078 21.279,8.078 21.29,8.067 22.088,8.067 U2.36@22.098,8.057
TXOUT2-: R22.1 U1.14 U2.37 | length 30.4
  Bottom Layer w0.203: U1.14@-1.512,17.408 -1.523,17.397 -1.523,16.103 0.147,14.433 0.94,14.433 1.657,13.716 2.064,13.716 2.362,13.417 R22.1@2.362,13.335 2.362,13.253 2.064,12.954 1.91,12.954 1.791,12.835 1.791,11.048 4.303,8.536 21.279,8.536 21.29,8.547 22.088,8.547 U2.37@22.098,8.557
V1: *6.3 R47.1 | length 18.9
  Bottom Layer w0.254: R47.1@-10.338,-1.905 -10.338,-1.823 -9.652,-1.136 -9.652,7.852 -9.503,8.001 -3.975,8.001 -1.905,5.931 *6.3@-1.905,5.715
V2: *6.2 R46.1 | length 17.1
  Bottom Layer w0.254: R46.1@-10.414,-3.937 -10.414,-3.855 -8.509,-1.95 -8.509,6.455 -8.335,6.629 -3.873,6.629 -3.175,5.931 *6.2@-3.175,5.715
V3: *6.1 R45.1 | length 15.7
  Bottom Layer w0.254: R45.1@-10.541,-6.096 -10.541,-6.014 -6.985,-2.458 -6.985,5.566 -6.836,5.715 *6.1@-4.445,5.715
VOUT: *6.8 Q1.1 | length 4.9
  Bottom Layer w0.254: *6.8@4.445,5.715 4.445,5.538 5.03,4.953 Q1.1@8.958,4.953
pads on no net: *1.1 *1.2 *1.3 *1.4 *1.6 *1.8 *1.12 *1.14 *1.16 *1.18 *1.22 *1.24 *1.26 *1.27 *1.28 *1.31 *1.32 *1.33 *1.34 *1.35 *1.36 *1.37 *1.38 *2.17 *2.18 *2.19 *2.20 *2.29 *2.30 *2.31 *2.32 *2.35 *2.36 *2.37 *2.38 *2.41 *2.42 *2.43 *2.44 *2.45 *2.46 *2.47 *2.48 *2.51 *2.52 *2.53 *2.54 *2.55 *2.56 *2.57 *2.58 *2.61 *2.62 *2.63 *2.64 *2.65 *2.66 *2.67 *2.68 *2.71 *2.72 *2.73 *2.74 *2.75 *2.76 *2.77 *2.78 *2.79 *2.80 *3.2 *3.4 *3.6 *3.8 *3.12 *3.14 *3.16 *3.18 *3.22 *3.24 *3.26 *3.28 *3.32 *3.34 *3.36 *3.38 *3.42 *3.44 *3.46 *3.47 *3.48 *3.52 *3.54 *3.56 *3.58 *3.62 *3.64 *3.66 *3.67 *3.68 *3.71 *3.72 *3.73 *3.74 *3.75 *3.76 *3.77 *3.78 *3.79 *3.80 *6.4 *7.13 *7.16 *7.19 SP1.1 SP2.1 SP3.1 SP4.1 U1.1 U1.2 U1.4 U1.5 U1.6 U1.47 U2.1 U2.2 U2.3 U2.25 U2.27 U2.45 U2.46 U2.47 U2.48 U2.49 U2.50 U2.53 U2.54 U2.55 U2.56

## Polygon pours and split planes (outlines as drawn)
GND on Bottom Layer "GND_L04_P016" (solid, remove dead copper, pour order 16): -50.99,50.863 -50.99,-50.927 51.244,-51.372 51.244,51.308
GND on Bottom Layer "GND_L04_P011" (solid, pour order 11): -9.017,-15.494 -9.017,-17.272 -9.017,-28.956 16.51,-28.956 17.272,-29.718 17.272,-14.859
+12 on Bottom Layer "+12_L04_P004" (solid, pour order 4): 10.922,-13.589 11.176,-13.843 11.176,-32.258 16.51,-32.258 16.764,-32.004 16.764,-13.589
-7V5 on Bottom Layer "-7V5_L04_P009" (solid, pour order 9): -9.333,-27.875 -9.525,-28.067 -9.525,-34.163 -0.508,-34.163 -0.381,-34.036 -0.381,-27.749
+5 on Bottom Layer "+5_L04_P008" (solid, pour order 8): -32.004,-18.034 -32.004,-24.384 -20.828,-24.384 -20.701,-24.257 -20.701,-18.161
Net*5_8 on Bottom Layer "NET*5_8_L04_P007" (solid, pour order 7): -32.385,-24.003 -20.701,-24.003 -20.701,-33.401 -32.004,-33.401 -32.131,-33.274
GND on Bottom Layer "GND_L04_P006" (solid, pour order 6): -39.369,-20.701 -32.893,-20.701 -32.512,-21.082 -32.512,-31.623 -32.512,-32.766 -32.004,-32.766 -28.448,-32.766 -28.067,-33.147 -26.67,-33.147 -26.67,-34.798 -26.289,-35.179 -26.162,-35.052 -12.573,-35.052 -12.573,-42.672 -12.827,-42.926 -39.623,-42.926
+12 on Bottom Layer "+12_L04_P005" (solid, pour order 5): -11.049,-33.698 -11.049,-35.052 -25.908,-35.052 -26.162,-34.798 -26.162,-33.274
+5IN on Bottom Layer "+5IN_L04_P003" (solid, pour order 3): 28.575,-30.099 28.575,-21.463 28.448,-21.59 24.384,-21.59 24.384,-30.099 24.511,-30.226
GND on Bottom Layer "GND_L04_P002" (solid, pour order 2): 28.956,-30.226 38.989,-30.226 38.989,-18.923 29.274,-18.923
3v3 on Bottom Layer "3V3_L04_P000" (solid, pour order 0): 28.067,-14.668 28.067,-18.923 38.735,-18.923 38.989,-18.669 38.989,-14.795
+5IN on PWR3 (split plane): 49.49,-45 49.49,-45.294 49.413,-45.878 49.26,-46.446 49.035,-46.99 48.741,-47.5 48.383,-47.967 47.967,-48.383 47.5,-48.741 46.99,-49.035 46.446,-49.26 45.878,-49.413 45.294,-49.49 10.289,-49.49 10.289,-40.261 16.637,-40.261 16.687,-40.252 16.729,-40.224 16.856,-40.097 16.884,-40.055 16.893,-40.005 16.893,-20.576 49.49,-20.576
3v3 on PWR3 (split plane): -9.998,27.721 -9.956,27.693 -9.906,27.684 49.49,27.684 49.49,-20.318 26.851,-20.318 26.545,-20.012 26.545,17.018 26.536,17.068 26.508,17.11 26.466,17.138 26.416,17.147 -9.471,17.147 -10.158,17.834 -10.158,27.881
+12 on PWR3 (split plane): 16.635,-12.881 16.635,-39.951 16.583,-40.003 10.16,-40.003 10.11,-40.012 10.068,-40.04 10.04,-40.082 10.031,-40.132 10.031,-49.49 -27.049,-49.49 -27.049,-31.244 -10.508,-31.244 -10.468,-31.296 -10.415,-31.337 -10.353,-31.362 -10.287,-31.371 -10.221,-31.362 -10.159,-31.337 -10.106,-31.296 -10.065,-31.243 -10.04,-31.181 -10.031,-31.115 -10.031,-22.585 -9.292,-21.846 7.387,-21.846 7.872,-22.331 7.872,-24.659 7.514,-25.017 4.699,-25.017 4.633,-25.026 4.615,-25.033 4.571,-25.051 4.518,-25.092 4.264,-25.346 4.223,-25.399 4.198,-25.461 4.189,-25.527 4.189,-36.322 4.198,-36.388 4.223,-36.45 4.264,-36.503 4.317,-36.544 4.379,-36.569 4.445,-36.578 10.16,-36.578 10.226,-36.569 10.288,-36.544 10.341,-36.503 10.382,-36.45 10.407,-36.388 10.416,-36.322 10.408,-36.257 13.427,-33.239 13.455,-33.197 13.464,-33.147 13.464,-11.94 15.694,-11.94
+5 on PWR3 (split plane): -20.703,31.39 -20.703,-23.366 -31.898,-23.366 -32.256,-23.008 -32.256,-20.193 -32.265,-20.127 -32.29,-20.065 -32.331,-20.012 -32.839,-19.504 -32.892,-19.463 -32.954,-19.438 -33.02,-19.429 -49.49,-19.429 -49.49,32.383 -21.696,32.383
GND on PWR3 (split plane): 45.878,49.413 46.446,49.26 46.99,49.035 47.5,48.741 47.967,48.383 48.383,47.967 48.741,47.5 49.035,46.99 49.26,46.446 49.413,45.878 49.49,45.294 49.49,45 49.49,27.942 -9.852,27.942 -10.195,28.286 -10.237,28.314 -10.287,28.323 -10.337,28.314 -10.379,28.286 -10.407,28.244 -10.416,28.194 -10.416,17.78 -10.407,17.73 -10.379,17.688 -9.617,16.926 -9.575,16.898 -9.525,16.889 26.287,16.889 26.287,-20.066 26.296,-20.116 26.324,-20.158 26.484,-20.318 16.893,-20.318 16.893,-12.827 16.884,-12.777 16.856,-12.735 15.84,-11.719 15.798,-11.691 15.748,-11.682 13.335,-11.682 13.285,-11.691 13.243,-11.719 13.215,-11.761 13.206,-11.811 13.206,-33.093 10.225,-36.074 10.16,-36.066 4.701,-36.066 4.701,-25.633 4.805,-25.529 7.62,-25.529 7.686,-25.52 7.748,-25.495 7.801,-25.454 8.309,-24.946 8.35,-24.893 8.375,-24.831 8.384,-24.765 8.384,-22.225 8.375,-22.159 8.368,-22.141 8.35,-22.097 8.309,-22.044 7.674,-21.409 7.621,-21.368 7.559,-21.343 7.493,-21.334 -9.398,-21.334 -9.464,-21.343 -9.526,-21.368 -9.579,-21.409 -10.468,-22.298 -10.509,-22.351 -10.534,-22.413 -10.543,-22.479 -10.543,-30.986 -27.178,-30.986 -27.228,-30.995 -27.27,-31.023 -27.298,-31.065 -27.307,-31.115 -27.307,-49.49 -45.294,-49.49 -45.878,-49.413 -46.446,-49.26 -46.99,-49.035 -47.5,-48.741 -47.967,-48.383 -48.383,-47.967 -48.741,-47.5 -49.035,-46.99 -49.26,-46.446 -49.413,-45.878 -49.49,-45.294 -49.49,-45 -49.49,-19.941 -33.126,-19.941 -32.768,-20.299 -32.768,-23.114 -32.759,-23.18 -32.734,-23.242 -32.693,-23.295 -32.185,-23.803 -32.132,-23.844 -32.07,-23.869 -32.004,-23.878 -20.447,-23.878 -20.381,-23.869 -20.319,-23.844 -20.266,-23.803 -20.225,-23.75 -20.2,-23.688 -20.191,-23.622 -20.191,31.496 -20.2,31.562 -20.225,31.624 -20.266,31.677 -21.409,32.82 -21.462,32.861 -21.524,32.886 -21.59,32.895 -49.49,32.895 -49.49,45 -49.49,45.294 -49.413,45.878 -49.26,46.446 -49.035,46.99 -48.741,47.5 -48.383,47.967 -47.967,48.383 -47.5,48.741 -46.99,49.035 -46.446,49.26 -45.878,49.413 -45.294,49.49 45.294,49.49
AGND on GND2 (split plane): -23.116,30.882 -23.116,16.764 -23.107,16.698 -23.082,16.636 -23.041,16.583 -13.921,7.463 -13.868,7.422 -13.807,7.397 -13.74,7.388 16.889,7.388 16.889,4.445 16.898,4.379 16.923,4.317 16.964,4.264 17.853,3.375 17.906,3.334 17.968,3.309 18.034,3.3 24.892,3.3 24.958,3.309 25.02,3.334 25.073,3.375 25.859,4.161 25.9,4.214 25.926,4.276 25.934,4.342 25.934,7.538 26.724,8.328 26.765,8.381 26.79,8.443 26.799,8.509 26.799,14.499 27.254,14.953 39.749,14.953 39.749,12.171 39.391,11.813 38.608,11.813 38.542,11.804 38.48,11.779 38.427,11.738 38.386,11.685 38.361,11.623 38.352,11.557 38.361,11.491 38.386,11.429 38.427,11.376 38.479,11.324 38.479,9.779 38.488,9.713 38.513,9.651 38.554,9.598 39.495,8.657 39.495,7.218 39.062,6.785 39.021,6.732 38.996,6.67 38.987,6.604 38.987,3.281 37.309,1.603 29.231,-6.475 19.156,-6.475 19.104,-6.435 19.043,-6.41 18.976,-6.401 18.91,-6.41 18.848,-6.435 18.795,-6.476 14.097,-11.174 14.031,-11.183 14,-11.195 13.969,-11.208 13.916,-11.249 12.646,-12.519 12.606,-12.571 -33.803,-12.571 -34.034,-12.34 -34.034,5.715 -34.043,5.781 -34.068,5.843 -34.109,5.896 -34.617,6.404 -34.67,6.445 -34.732,6.47 -34.798,6.479 -40.407,6.479 -40.765,6.837 -40.765,31.771 -40.153,32.383 -24.617,32.383
GND on GND2 (split plane): 45.878,49.413 46.446,49.26 46.99,49.035 47.5,48.741 47.967,48.383 48.383,47.967 48.741,47.5 49.035,46.99 49.26,46.446 49.413,45.878 49.49,45.294 49.49,45 49.49,-45 49.49,-45.294 49.413,-45.878 49.26,-46.446 49.035,-46.99 48.741,-47.5 48.383,-47.967 47.967,-48.383 47.5,-48.741 46.99,-49.035 46.446,-49.26 45.878,-49.413 45.294,-49.49 -45.294,-49.49 -45.878,-49.413 -46.446,-49.26 -46.99,-49.035 -47.5,-48.741 -47.967,-48.383 -48.383,-47.967 -48.741,-47.5 -49.035,-46.99 -49.26,-46.446 -49.413,-45.878 -49.49,-45.294 -49.49,-45 -49.49,45 -49.49,45.294 -49.413,45.878 -49.26,46.446 -49.035,46.99 -48.741,47.5 -48.383,47.967 -47.967,48.383 -47.5,48.741 -46.99,49.035 -46.446,49.26 -45.878,49.413 -45.294,49.49 45.294,49.49

## Keep-outs
Keep-Out Layer:
  the board outline again, w0.254

## Other copper
Bottom Layer:
  pour cut-out: -43.815,36.83 -43.815,29.337 -43.18,28.702 -43.18,1.778 -35.814,1.778 -34.925,0.889 -34.925,-14.097 26.67,-14.097 27.051,-13.716 27.178,-13.843 38.608,-13.843 42.799,-9.652 42.799,28.575 32.639,28.575 25.146,36.068 -22.987,36.068
GND2 (plane layer: these items are gaps in the copper):
  lines w0.508: 12.7,-12.827 -33.909,-12.827 -34.29,-12.446 -34.29,5.715 -34.798,6.223 -40.513,6.223 -41.021,6.731 -41.021,31.877 -40.259,32.639 -24.511,32.639 -22.86,30.988 -22.86,16.764 -13.74,7.644 17.145,7.644 ; 12.827,-12.7 14.097,-11.43 14.204,-11.43 18.976,-6.657 ; 17.145,7.493 17.145,4.445 18.034,3.556 24.892,3.556 25.678,4.342 25.678,7.644 26.543,8.509 26.543,14.605 27.148,15.21 39.975,15.21 ; 19.05,-6.731 29.337,-6.731 37.49,1.422 39.243,3.175 39.243,6.604 39.751,7.112 39.751,8.763 38.735,9.779 38.735,11.43 38.608,11.557 39.497,11.557 40.005,12.065 40.005,15.24
PWR3 (plane layer: these items are gaps in the copper):
  lines w0.254: -27.178,-49.911 -27.178,-31.115 -10.287,-31.115 ; 10.16,-50.038 10.16,-40.132 12.827,-40.132 16.637,-40.132 16.764,-40.005 16.764,-12.827 15.748,-11.811 13.335,-11.811 13.335,-33.147 10.16,-36.322 ; 16.764,-20.447 26.797,-20.447 ; 49.784,27.813 -9.906,27.813 -10.287,28.194 -10.287,17.78 -9.525,17.018 26.416,17.018 26.416,-20.066 26.797,-20.447 ; 49.911,-20.447 26.797,-20.447
  lines w0.508: -50.038,-19.685 -33.02,-19.685 -32.512,-20.193 -32.512,-23.114 -32.004,-23.622 -20.447,-23.622 -20.447,31.496 -21.59,32.639 -49.784,32.639 ; -10.287,-31.115 -10.287,-22.479 -9.398,-21.59 7.493,-21.59 8.128,-22.225 8.128,-24.765 7.62,-25.273 4.699,-25.273 4.445,-25.527 4.445,-36.322 10.16,-36.322

## Silkscreen, mask and mechanical layers (free items; w line width, h text height)
Mechanical 13:
  the board outline again, w0.254

## Text inside footprints (layer, text, board x,y; h text height)
*2: Top Overlay "1" at 18.452,-41.803 h0.89 r180; Top Overlay "2" at 18.554,-37.409 h0.89 r180; Top Overlay "79" at -17.26,-41.702 h0.89 r180; Top Overlay "80" at -17.234,-37.46 h0.89 r180
*3: Top Overlay "80" at 17.234,37.46 h0.89; Top Overlay "79" at 17.26,41.702 h0.89; Top Overlay "2" at -18.554,37.409 h0.89; Top Overlay "1" at -18.452,41.803 h0.89
TC1: Top Overlay "+" at -6.096,-11.43 h0.89
TC2: Top Overlay "+" at 7.239,-10.541 h0.89 r180
TC3: Bottom Overlay "+" at -26.924,15.32 h0.89 r270
TC4: Bottom Overlay "+" at -20.447,-13.462 h0.89
TC5: Bottom Overlay "+" at -27.051,6.049 h0.89 r270
TC6: Bottom Overlay "+" at -26.924,23.321 h0.89 r270